# KiCad board jetson-agx-thor-baseboard.kicad_pcb (continued)
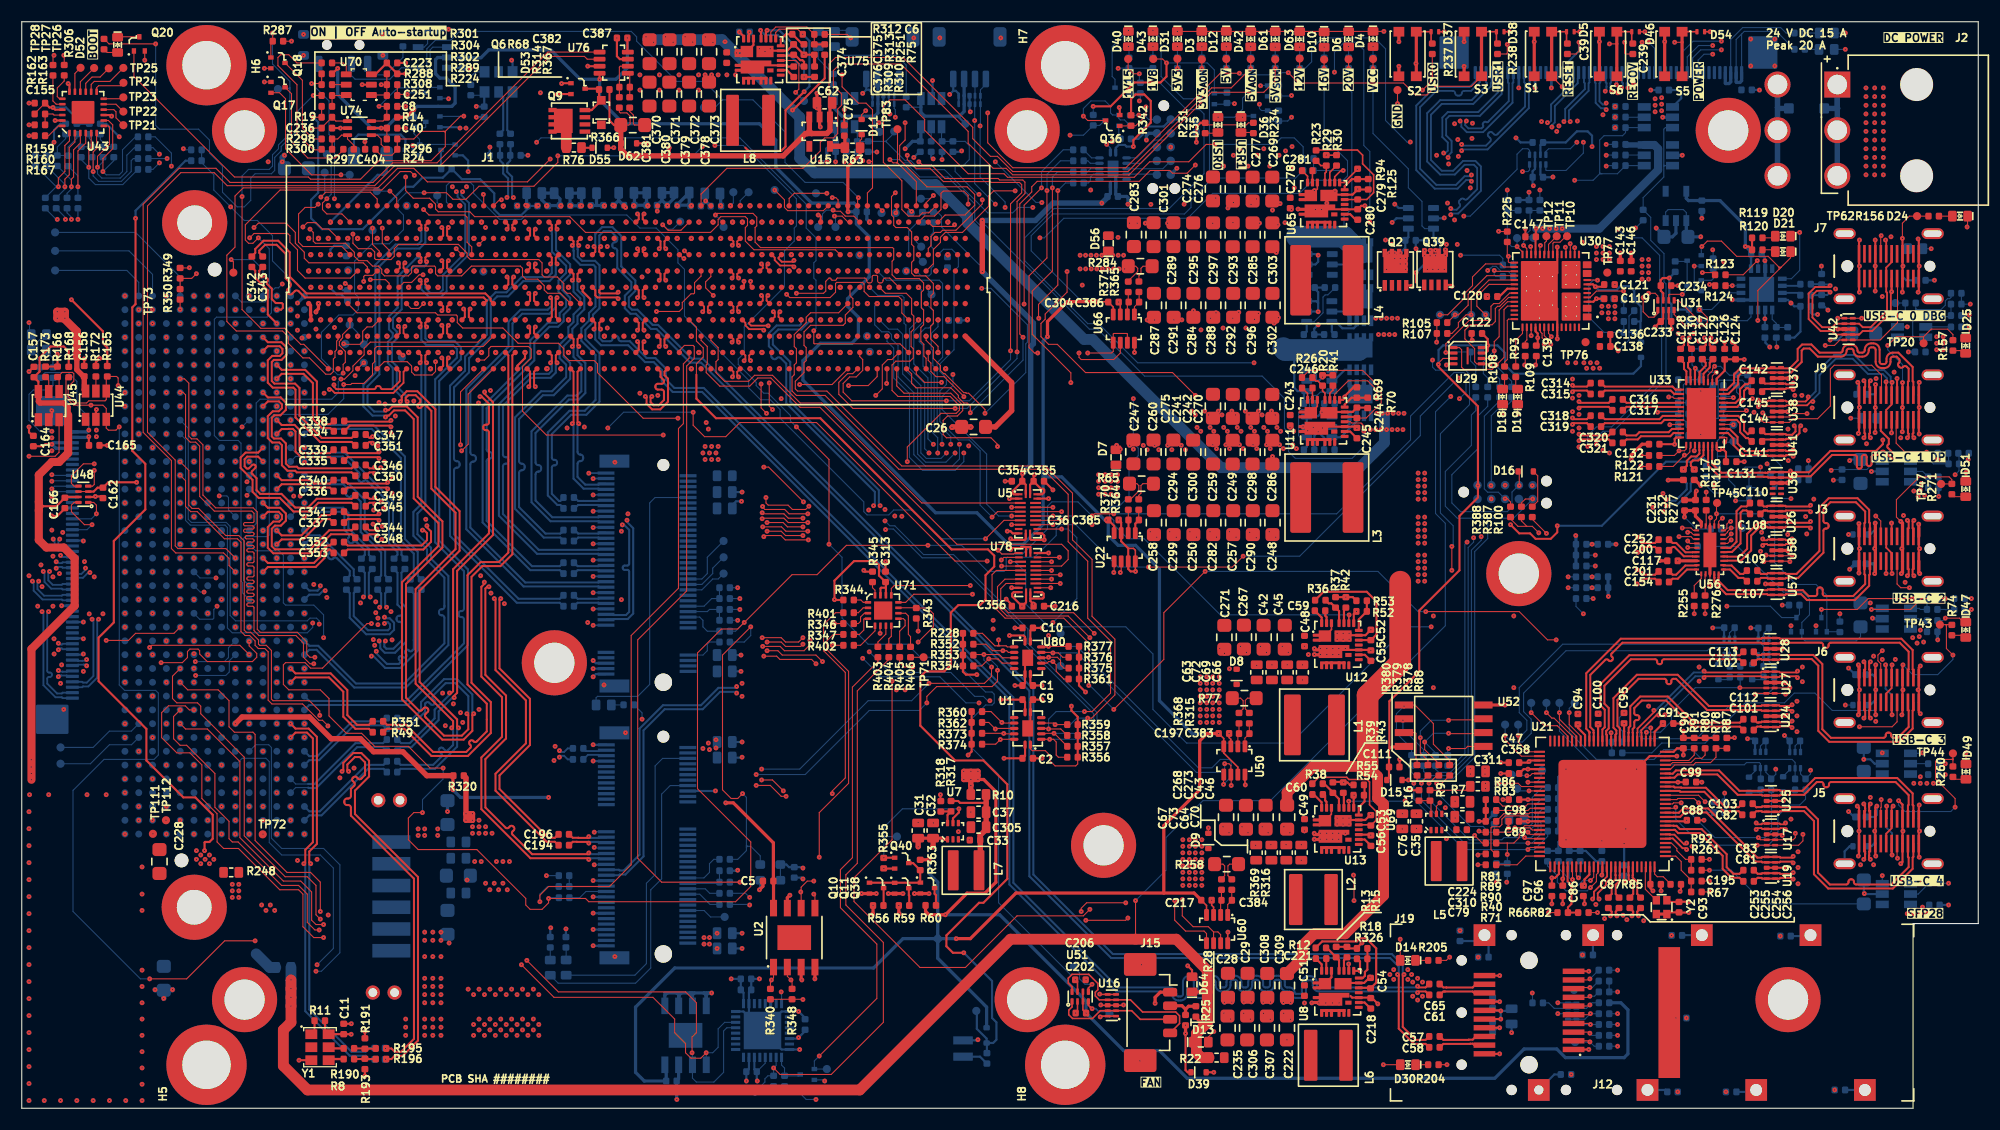
[diagram p0: board, top side]
## Placement (name value [footprint] x y rotation side) (continued)
C313  C_100n_0402  [C_0402_1005Metric]  79.47 48.91 270 top
C314  C_100n_0402  [C_0402_1005Metric]  144.82 66.74 180 top
C315  C_100n_0402  [C_0402_1005Metric]  144.82 65.74 180 top
C316  C_100n_0402  [C_0402_1005Metric]  146.82 65.24 180 top
C317  C_100n_0402  [C_0402_1005Metric]  146.82 64.24 180 top
C318  C_100n_0402  [C_0402_1005Metric]  144.82 63.74 180 top
C319  C_100n_0402  [C_0402_1005Metric]  144.82 62.74 180 top
C320  C_100n_0402  [C_0402_1005Metric]  146.82 62.24 180 top
C321  C_100n_0402  [C_0402_1005Metric]  146.82 61.24 180 top
C322  C_100n_0402  [C_0402_1005Metric]  152.87 58.3 90 bottom
C323  C_100n_0402  [C_0402_1005Metric]  153.87 58.31 90 bottom
C324  C_100n_0402  [C_0402_1005Metric]  33.75 48.21 270 bottom
C325  C_100n_0402  [C_0402_1005Metric]  30.85 48.21 270 bottom
C326  C_100n_0402  [C_0402_1005Metric]  35.25 50.11 270 bottom
C327  C_100n_0402  [C_0402_1005Metric]  32.25 50.11 270 bottom
C328  C_100n_0402  [C_0402_1005Metric]  32.75 48.21 270 bottom
C329  C_100n_0402  [C_0402_1005Metric]  29.87 48.21 270 bottom
C330  C_100n_0402  [C_0402_1005Metric]  34.25 50.11 270 bottom
C331  C_100n_0402  [C_0402_1005Metric]  31.25 50.11 270 bottom
C332  C_100n_0402  [C_0402_1005Metric]  36.75 48.2 90 bottom
C333  C_100n_0402  [C_0402_1005Metric]  35.75 48.2 90 bottom
C334  C_100n_0402  [C_0402_1005Metric]  29.19 62.31 0 top
C335  C_100n_0402  [C_0402_1005Metric]  29.17 59.61 0 top
C336  C_100n_0402  [C_0402_1005Metric]  29.17 56.81 0 top
C337  C_100n_0402  [C_0402_1005Metric]  29.17 53.91 0 top
C338  C_100n_0402  [C_0402_1005Metric]  29.19 63.26 0 top
C339  C_100n_0402  [C_0402_1005Metric]  29.17 60.61 0 top
C340  C_100n_0402  [C_0402_1005Metric]  29.17 57.81 0 top
C341  C_100n_0402  [C_0402_1005Metric]  29.17 54.91 0 top
C342  C_100n_0402  [C_0402_1005Metric]  21.17 77.91 270 top
C343  C_100n_0402  [C_0402_1005Metric]  22.17 77.91 270 top
C344  C_100n_0402  [C_0402_1005Metric]  31.17 53.51 0 top
C345  C_100n_0402  [C_0402_1005Metric]  31.17 55.41 0 top
C346  C_100n_0402  [C_0402_1005Metric]  31.17 59.21 0 top
C347  C_100n_0402  [C_0402_1005Metric]  31.17 62.01 0 top
C348  C_100n_0402  [C_0402_1005Metric]  31.17 52.51 0 top
C349  C_100n_0402  [C_0402_1005Metric]  31.17 56.41 0 top
C350  C_100n_0402  [C_0402_1005Metric]  31.17 58.21 0 top
C351  C_100n_0402  [C_0402_1005Metric]  31.17 61.01 0 top
C352  C_100n_0402  [C_0402_1005Metric]  29.17 52.11 180 top
C353  C_100n_0402  [C_0402_1005Metric]  29.17 51.11 180 top
C354  C_100n_0402  [C_0402_1005Metric]  91.57 57.71 0 top
C355  C_100n_0402  [C_0402_1005Metric]  93.57 57.71 180 top
C356  C_100n_0402  [C_0402_1005Metric]  91.57 46.21 0 top
C358  C_100n_0402  [C_0402_1005Metric]  137.29 30.81 0 top
C359  C_1u_25V_0402  [C_0402_1005Metric]  85.17 77.86 270 bottom
C365  C_1u_25V_0402  [C_0402_1005Metric]  29.97 74.81 270 bottom
C366  C_1u_25V_0402  [C_0402_1005Metric]  29.87 78.91 90 bottom
C370  C_22u_25V_0805  [C_0805_2012Metric]  57.76 97.24 90 top
C371  C_22u_25V_0805  [C_0805_2012Metric]  59.59 97.24 90 top
C372  C_22u_25V_0805  [C_0805_2012Metric]  61.4 97.24 90 top
C373  C_22u_25V_0805  [C_0805_2012Metric]  63.23 97.24 90 top
C374  C_100n_0402  [C_0402_1005Metric]  64.85 96.69 270 top
C375  C_1u_0402  [C_0402_1005Metric]  71.01 97.44 270 top
C376  C_4u7_25V_0402  [C_0402_1005Metric]  71.02 95.39 270 top
C377  C_100n_0402  [C_0402_1005Metric]  66.49 99.05 0 bottom
C378  C_22u_25V_0805  [C_0805_2012Metric]  63.23 93.34 270 top
C379  C_22u_25V_0805  [C_0805_2012Metric]  61.4 93.34 270 top
C380  C_22u_25V_0805  [C_0805_2012Metric]  59.58 93.34 270 top
C381  C_22u_25V_0805  [C_0805_2012Metric]  57.75 93.34 270 top
C382  C_100n_0402  [C_0402_1005Metric]  55.46 93.98 0 top
C383  C_100n_0402  [C_0402_1005Metric]  112.47 34.48 0 top
C384  C_100n_0402  [C_0402_1005Metric]  110.85 19.14 0 top
C385  C_100n_0402  [C_0402_1005Metric]  102.3 54.14 0 top
C386  C_100n_0402  [C_0402_1005Metric]  102.32 74.2 0 top
C387  C_100n_0402  [C_0402_1005Metric]  55.24 98.51 0 top
C404  C_1u_25V_0402  [C_0402_1005Metric]  32.07 88.26 0 top
D1  RB521S30T1G  [SOD-523]  88.77 6.71 90 bottom
D2  PTVS26VS1UR,115  [D_SOD-123]  164.2 92.02 180 bottom
D3  LED_G_0603_LTST-C190GKT  [LED_0603_1608Metric_G]  108.57 98.41 270 top
D4  LED_G_0603_LTST-C190GKT  [LED_0603_1608Metric_G]  124.32 98.41 270 top
D5  TPD1E0B04_XDFN-2  [XDFN-2_1x0.60mm]  142.47 99.08 180 top
D6  LED_G_0603_LTST-C190GKT  [LED_0603_1608Metric_G]  122.07 98.39 270 top
D7  ESDA25P35-1U1M  [QFN-2L_1.6x1x0.55mm]  100.67 59.91 90 top
D8  PESD5Z5.0F  [SOD-523]  111.77 39.71 90 top
D9  PESD5Z5.0F  [SOD-523]  109.17 24.61 90 top
D10  LED_G_0603_LTST-C190GKT  [LED_0603_1608Metric_G]  119.82 98.36 270 top
D11  PESD5Z5.0F  [SOD-523]  77.27 90.31 90 top
D12  LED_G_0603_LTST-C190GKT  [LED_0603_1608Metric_G]  110.82 98.41 270 top
D13  ESDA25P35-1U1M  [QFN-2L_1.6x1x0.55mm]  108.47 6.09 0 top
D14  LED_G_0603_LTST-C190GKT  [LED_0603_1608Metric_G]  127.52 13.61 180 top
D15  RB521S30T1G  [SOD-523]  126.29 30.21 0 top
D16  RB521S30T1G  [SOD-523]  138.37 58.61 0 top
D17  RB521S30T1G  [SOD-523]  148.97 69.81 90 bottom
D18  LED_G_0603_LTST-C190GKT  [LED_0603_1608Metric_G]  136.24 65.49 90 top
D19  LED_G_0603_LTST-C190GKT  [LED_0603_1608Metric_G]  137.62 65.49 90 top
D20  LED_G_0603_LTST-C190GKT  [LED_0603_1608Metric_G]  162.03 80.27 180 top
D21  LED_G_0603_LTST-C190GKT  [LED_0603_1608Metric_G]  162.03 78.84 180 top
D22  ESDA25P35-1U1M  [QFN-2L_1.6x1x0.55mm]  169.97 63.51 180 bottom
D23  ESDA25P35-1U1M  [QFN-2L_1.6x1x0.55mm]  174.21 79.11 0 bottom
D24  LED_G_0603_LTST-C190GKT  [LED_0603_1608Metric_G]  178.32 82.11 180 top
D25  LED_G_0603_LTST-C190GKT  [LED_0603_1608Metric_G]  178.84 70.18 270 top
D26  LED_G_0603_LTST-C190GKT  [LED_0603_1608Metric_G]  166.07 98.96 180 bottom
D27  LED_G_0603_LTST-C190GKT  [LED_0603_1608Metric_G]  166.05 97.45 180 bottom
D28  LED_G_0603_LTST-C190GKT  [LED_0603_1608Metric_G]  1.57 69.79 0 bottom
D29  LED_G_0603_LTST-C190GKT  [LED_0603_1608Metric_G]  1.57 71.2 0 bottom
D30  LED_Y_0603_LTST-C191KSKT  [LED_0603_1608Metric_Y]  127.53 4.01 180 top
D31  LED_G_0603_LTST-C190GKT  [LED_0603_1608Metric_G]  106.32 98.41 270 top
D32  LED_G_0603_LTST-C190GKT  [LED_0603_1608Metric_G]  53.54 37.12 0 bottom
D33  LED_G_0603_LTST-C190GKT  [LED_0603_1608Metric_G]  50.08 12.95 90 bottom
D34  LED_G_0603_LTST-C190GKT  [LED_0603_1608Metric_G]  48.62 12.94 90 bottom
D35  LED_G_0603_LTST-C190GKT  [LED_0603_1608Metric_G]  110.05 90.51 270 top
D36  LED_G_0603_LTST-C190GKT  [LED_0603_1608Metric_G]  112.17 90.51 270 top
D37  TPD1E0B04_XDFN-2  [XDFN-2_1x0.60mm]  130.01 99.08 180 top
D38  TPD1E0B04_XDFN-2  [XDFN-2_1x0.60mm]  136.02 99.08 180 top
D39  PESD5Z5.0F  [SOD-523]  108.27 3.31 0 top
D40  LED_G_0603_LTST-C190GKT  [LED_0603_1608Metric_G]  101.81 98.41 270 top
D41  LED_G_0603_LTST-C190GKT  [LED_0603_1608Metric_G]  73.27 98.41 270 bottom
D42  LED_G_0603_LTST-C190GKT  [LED_0603_1608Metric_G]  113.07 98.4 270 top
D43  LED_G_0603_LTST-C190GKT  [LED_0603_1608Metric_G]  104.07 98.41 270 top
D44  LED_G_0603_LTST-C190GKT  [LED_0603_1608Metric_G]  74.77 98.41 270 bottom
D45  PESD5Z5.0F  [SOD-523]  169.17 37.11 180 bottom
D46  TPD1E0B04_XDFN-2  [XDFN-2_1x0.60mm]  148.47 99.08 180 top
D47  LED_G_0603_LTST-C190GKT  [LED_0603_1608Metric_G]  178.85 44.03 270 top
D48  PESD5Z5.0F  [SOD-523]  169.17 24.11 180 bottom
D49  LED_G_0603_LTST-C190GKT  [LED_0603_1608Metric_G]  178.87 30.98 270 top
D50  PESD5Z5.0F  [SOD-523]  169.17 52.81 180 bottom
D51  LED_G_0603_LTST-C190GKT  [LED_0603_1608Metric_G]  178.85 56.99 270 top
D52  LED_G_0603_LTST-C190GKT  [LED_0603_1608Metric_G]  8.82 97.87 270 top
D53  BZT52B15SV-T  [D_SOD-323]  53.32 91.64 90 top
D54  TPD1E0B04_XDFN-2  [XDFN-2_1x0.60mm]  154.47 99.08 180 top
D55  PESD5Z5.0F  [SOD-523]  53.17 88.4 0 top
D56  ESDA25P35-1U1M  [QFN-2L_1.6x1x0.55mm]  99.97 79.61 90 top
D57  RB521S30T1G  [SOD-523]  159.2 40.15 90 bottom
D58  RB521S30T1G  [SOD-523]  156.09 40.15 90 bottom
D59  RB521S30T1G  [SOD-523]  162.05 29.81 90 bottom
D60  RB521S30T1G  [SOD-523]  158.91 29.78 90 bottom
D61  LED_G_0603_LTST-C190GKT  [LED_0603_1608Metric_G]  115.32 98.39 270 top
D62  PESD5Z5.0F  [SOD-523]  55.87 88.81 0 top
D63  LED_G_0603_LTST-C190GKT  [LED_0603_1608Metric_G]  117.57 98.39 270 top
D64  ESDA25P35-1U1M  [QFN-2L_1.6x1x0.55mm]  107.67 11.41 90 top
H1  -  [Spacer_Drill3.7mm_H6.5mm_9774065151R]  20.5 10 270 bottom
H2  -  [Spacer_Drill3.7mm_H6.5mm_9774065151R]  20.5 90 270 bottom
H3  -  [Spacer_Drill3.7mm_H6.5mm_9774065151R]  157 90 270 bottom
H4  -  [Spacer_Drill3.7mm_H6.5mm_9774065151R]  162.5 10 270 bottom
H5  -  [Spacer_Drill4.45mm_H4mm_9774040960R]  17 4 90 top
H6  -  [Spacer_Drill4.45mm_H4mm_9774040960R]  17 96 90 top
H7  -  [Spacer_Drill4.45mm_H4mm_9774040960R]  96 96 90 top
H8  -  [Spacer_Drill4.45mm_H4mm_9774040960R]  96 4 90 top
H9  -  [Spacer_Drill3.7mm_H2.5mm_9774025151R]  137.73 49.21 90 bottom
H10  -  [Spacer_Drill3.7mm_H2.5mm_9774025151R]  99.53 24.2 90 bottom
H11  -  [Spacer_Drill3.7mm_H6.5mm_9774065151R]  92.5 90 180 bottom
H12  -  [Spacer_Drill3.7mm_H6.5mm_9774065151R]  92.5 10 180 bottom
H13  -  [Spacer_Drill3.7mm_H6.5mm_9774065151R]  49 41 180 bottom
J1  Hermaphroditic_Molex_203456-0003_CUSTOM_Jetson_AGX_Thor_H8mm  [Conn_Hermaphroditic_Molex_203456-0003_mirrored]  56.6 75.56 0 top
J2  -  [Molex_Mini-Fit_2x3_50362462]  167.03 94.22 270 top
J3  USB-C_Kycon_KUSBX-SL2-CS1N24-B-TR  [USB-C_Receptacle_Kycon_KUSBX-SL2-CS1N24-B-TR]  175.56 51.5 90 top
J4  -  [Tag-Connect_TC2050-IDC-NL_2x5_P1.27mm]  136.47 56.71 0 bottom  (not fitted)
J5  USB-C_Kycon_KUSBX-SL2-CS1N24-B-TR  [USB-C_Receptacle_Kycon_KUSBX-SL2-CS1N24-B-TR]  175.56 25.5 90 top
J6  USB-C_Kycon_KUSBX-SL2-CS1N24-B-TR  [USB-C_Receptacle_Kycon_KUSBX-SL2-CS1N24-B-TR]  175.56 38.5 90 top
J7  USB-C_Kycon_KUSBX-SL2-CS1N24-B-TR  [USB-C_Receptacle_Kycon_KUSBX-SL2-CS1N24-B-TR]  175.56 77.5 90 top
J8  Plug_Samtec_UMPT_1x6_UMPT-06-06.5-G-V-S-TR  [Conn_Plug_Samtec_UMPT_1x6_UMPT-06-06.5-G-V-S-W-TR]  34 19.5 270 bottom
J9  USB-C_Kycon_KUSBX-SL2-CS1N24-B-TR  [USB-C_Receptacle_Kycon_KUSBX-SL2-CS1N24-B-TR]  175.56 64.5 90 top
J10  Conn_FFC_WE_68715014522  [Conn_FFC_WE_68715014x22]  145.98 97.47 0 bottom
J11  Conn_FFC_WE_68715014522  [Conn_FFC_WE_68715014x22]  2.51 50 90 bottom
J12  Amphenol_SFP28_1x20_UE763GA202600T  [Conn_Amphenol_SFP28_1x20_UE763GA202600T]  138.67 8.81 180 top
J13  Bus_M.2_1-2199230-6  [Bus_M.2_Socket_Key_M_TE_1-2199230-6]  57.53 49.21 270 bottom
J14  Bus_M.2_2199230-2  [Bus_M.2_Socket_Key_E_TE_2199230-6]  57.53 24.2 270 bottom
J15  Molex_PicoBlade_1x4_0533980471  [Conn_Molex_PicoBlade_1x4_0533980471]  103.9 8.81 270 top
J16  JST_SH_1x4_SM04B-SRSS-TB-LF-SN  [Conn_JST_SH_1x4_SM04B-SRSS-TB-LF-SN]  79.2 96.85 0 bottom
J17  JST_SH_1x4_SM04B-SRSS-TB-LF-SN  [Conn_JST_SH_1x4_SM04B-SRSS-TB-LF-SN]  87.2 96.85 0 bottom
J18  -  [ASP-218650-01_mounting_holes]  17.75 50 90 bottom
J19  Amphenol_SFP28_Cage_U773GC16382071  [Conn_Amphenol_SFP28_Cage_U773GC16382071]  138.67 8.81 90 top
J20  -  [Tag-Connect_TC2050-IDC-NL_2x5_P1.27mm]  105.07 88.46 270 bottom  (not fitted)
L1  L_1u_20A_Bourns-SRP6050CA  [L_Bourns-SRP6050CA]  118.93 35.28 180 top
L2  L_560n_17.7A_Bourns-SRP5030CA  [L_Bourns-SRP5030CA]  118.83 19.21 180 top
L3  L_3u3_15.1A_Coilcraft-XAL7070  [L_Coilcraft-XAL7070]  120.07 56.21 180 top
L4  L_3u3_15.1A_Coilcraft-XAL7070  [L_Coilcraft-XAL7070]  120.07 76.21 180 top
L5  L_1u8_6.8A_WE-MAPI-4020  [L_WE-MAPI-4020]  131.32 22.75 0 top
L6  L_6u8_6.1A_MPS-MPL-AL5050  [L_MPS-MPL-AL5050]  120.21 4.88 180 top
L7  L_1u8_6.8A_WE-MAPI-4020  [L_WE-MAPI-4020]  86.88 21.9 0 top
L8  L_3u3_8.1A_Coilcraft-XAL5030  [L_Coilcraft-XAL5030]  67.05 90.93 180 top
Q1  DMG1012T-7  [SOT-523]  72.27 3.11 270 bottom
Q2  SISS05DN-T1-GE3  [Vishay_PowerPAK_1212-8_Single]  126.39 77.17 90 top
Q3  DMG1012T-7  [SOT-523]  153.87 75.7 270 bottom
Q4  DMG1012T-7  [SOT-523]  101.23 93.93 270 bottom
Q5  SISS05DN-T1-GE3  [Vishay_PowerPAK_1212-8_Single]  123.15 65.17 90 bottom  (not fitted)
Q6  DMG1012T-7  [SOT-523]  51.18 93.84 270 top
Q7  DMG1012T-7  [SOT-523]  37.82 90.79 270 bottom
Q8  DMG1012T-7  [SOT-523]  35.95 88.21 270 bottom
Q9  SISS05DN-T1-GE3  [Vishay_PowerPAK_1212-8_Single]  50.38 90.88 180 top
Q10  DMG1012T-7  [SOT-523]  78.64 20.26 270 top
Q11  DMG1012T-7  [SOT-523]  80.96 20.25 270 top
Q12  DMG1012T-7  [SOT-523]  153.87 78.01 270 bottom
Q13  DMG1012T-7  [SOT-523]  113.97 93.63 270 bottom
Q14  DMG1012T-7  [SOT-523]  113.97 91.32 270 bottom
Q15  DMG1012T-7  [SOT-523]  163.27 44.51 180 bottom
Q16  DMG1012T-7  [SOT-523]  109.07 92.91 270 bottom
Q17  DMG1012T-7  [SOT-523]  23.58 93.96 270 top
Q18  DMG1012T-7  [SOT-523]  23.57 96.21 270 top
Q19  DMG1012T-7  [SOT-523]  165.57 44.51 180 bottom
Q20  DMG1012T-7  [SOT-523]  10.82 97.96 0 top
Q21  DMC2400UV-7  [SOT-563]  160.25 42.44 90 bottom
Q22  DMG1012T-7  [SOT-523]  37.82 93.46 270 bottom
Q23  SISS05DN-T1-GE3  [Vishay_PowerPAK_1212-8_Single]  123.15 73.92 90 bottom  (not fitted)
Q24  SISS05DN-T1-GE3  [Vishay_PowerPAK_1212-8_Single]  123.15 69.4 90 bottom
Q25  SISS05DN-T1-GE3  [Vishay_PowerPAK_1212-8_Single]  123.15 78.15 90 bottom
Q26  DMC2400UV-7  [SOT-563]  157.11 42.47 90 bottom
Q27  DMC2400UV-7  [SOT-563]  163.15 32.04 90 bottom
Q28  DMG1012T-7  [SOT-523]  100.28 90.92 270 bottom  (not fitted)
Q29  DMC2400UV-7  [SOT-563]  159.96 32.06 90 bottom
Q34  DMG1012T-7  [SOT-523]  160.6 56.62 270 bottom  (not fitted)
Q35  DMG1012T-7  [SOT-523]  158.26 56.63 270 bottom  (not fitted)
Q36  DMG1012T-7  [SOT-523]  100.37 90.91 90 top  (not fitted)
Q37  DMG1012T-7  [SOT-523]  39.22 88.2 270 bottom
Q38  DMG1012T-7  [SOT-523]  83.33 20.27 270 top
Q39  SISS05DN-T1-GE3  [Vishay_PowerPAK_1212-8_Single]  130.02 77.21 90 top
Q40  DMG1012T-7  [SOT-523]  80.96 22.56 270 top
R1  R_100k_0402  [R_0402_1005Metric]  41.31 93.71 90 bottom
R2  R_33R_0402  [R_0402_1005Metric]  44.97 89.21 270 bottom
R3  R_33R_0402  [R_0402_1005Metric]  43.99 89.21 270 bottom
R4  R_49R9_0402  [R_0402_1005Metric]  43.53 87.7 0 bottom
R5  R_49R9_0402  [R_0402_1005Metric]  45.42 87.7 180 bottom
R6  R_2k2_0402  [R_0402_1005Metric]  88.79 4.59 90 bottom
R7  R_0R_22.4A_0603  [R_0603_1608Metric]  133.96 29.63 0 top
R8  R_33R_0402  [R_0402_1005Metric]  30.1 4.53 0 top
R9  R_11k_0402  [R_0402_1005Metric]  129.56 28.79 90 top
R10  R_0R_22.4A_0603  [R_0603_1608Metric]  88.01 28.88 180 top
R11  R_100k_0402  [R_0402_1005Metric]  27.42 8.06 180 top
R12  R_499k_0402  [R_0402_1005Metric]  119.52 14.76 180 top  (not fitted)
R13  R_499k_0402  [R_0402_1005Metric]  120.93 14.38 270 top
R14  R_10k_0402  [R_0402_1005Metric]  34.07 91.21 0 top
R15  R_51k_0402  [R_0402_1005Metric]  121.92 14.38 270 top
R16  R_12k_0402  [R_0402_1005Metric]  128.55 28.79 270 top
R17  R_2k2_0402  [R_0402_1005Metric]  122.07 96.21 270 bottom
R18  R_10k_0402  [R_0402_1005Metric]  123.32 14.71 0 top
R19  R_499k_0402  [R_0402_1005Metric]  28.07 91.21 180 top
R20  R_100k_0402  [R_0402_1005Metric]  119.67 66.99 270 top
R21  R_0R_0402  [R_0402_1005Metric]  142.37 23.21 90 bottom
R22  R_0R_22.4A_0603  [R_0603_1608Metric]  109.93 4.66 180 top
R23  R_499k_0402  [R_0402_1005Metric]  119.08 87.68 90 top  (not fitted)
R24  R_10k_0402  [R_0402_1005Metric]  34.07 88.26 180 top
R25  R_0R_0402  [R_0402_1005Metric]  108.02 8.91 90 top  (not fitted)
R26  R_499k_0402  [R_0402_1005Metric]  118.26 67.26 180 top  (not fitted)
R27  R_2k2_0402  [R_0402_1005Metric]  124.32 96.21 270 bottom
R28  R_0R_0402  [R_0402_1005Metric]  107.07 8.11 90 top
R29  R_100k_0402  [R_0402_1005Metric]  120.02 87.24 270 top
R30  R_200k_0402  [R_0402_1005Metric]  120.96 87.24 270 top
R31  R_15k_0402  [R_0402_1005Metric]  147.87 73.41 180 bottom
R32  R_200R_0402  [R_0402_1005Metric]  108.57 96.21 270 bottom
R33  R_0R_22.4A_0603  [R_0603_1608Metric]  40.17 19.81 180 bottom  (not fitted)
R34  R_49k9_0402  [R_0402_1005Metric]  118.37 86.31 180 bottom  (not fitted)
R35  R_470R_0402  [R_0402_1005Metric]  113.07 96.21 270 bottom
R36  R_499k_0402  [R_0402_1005Metric]  119.47 46.76 180 top  (not fitted)
R37  R_499k_0402  [R_0402_1005Metric]  120.87 46.56 270 top
R38  R_499k_0402  [R_0402_1005Metric]  119.22 29.87 180 top  (not fitted)
R39  R_499k_0402  [R_0402_1005Metric]  120.62 29.51 270 top
R40  R_0R_0402  [R_0402_1005Metric]  135.17 23.41 0 top  (not fitted)
R41  R_200k_0402  [R_0402_1005Metric]  120.62 66.99 270 top
R42  R_200k_0402  [R_0402_1005Metric]  121.82 46.56 270 top
R43  R_200k_0402  [R_0402_1005Metric]  121.58 29.51 270 top
R46  R_0R_0402  [R_0402_1005Metric]  143.37 23.21 90 bottom
R47  R_100k_0402  [R_0402_1005Metric]  36.07 90.72 90 bottom
R48  R_0R_0402  [R_0402_1005Metric]  156.17 27.21 0 bottom
R49  R_0R_0402  [R_0402_1005Metric]  32.77 35.61 180 top
R50  R_470R_0402  [R_0402_1005Metric]  39.07 86.46 0 bottom
R51  R_2k2_0402  [R_0402_1005Metric]  119.82 96.21 270 bottom
R52  R_73k2_0402  [R_0402_1005Metric]  123.27 45.73 180 top
R53  R_10k_0402  [R_0402_1005Metric]  123.27 46.71 0 top
R54  R_45k3_0402  [R_0402_1005Metric]  123 28.81 180 top
R55  R_10k_0402  [R_0402_1005Metric]  123 29.76 0 top
R56  R_470R_0402  [R_0402_1005Metric]  78.8 18.66 180 top
R57  R_0R_0402  [R_0402_1005Metric]  156.17 28.21 0 bottom
R58  R_0R_0402  [R_0402_1005Metric]  141.37 23.21 90 bottom
R59  R_470R_0402  [R_0402_1005Metric]  81.17 18.66 180 top
R60  R_470R_0402  [R_0402_1005Metric]  83.63 18.67 180 top
R61  R_470R_0402  [R_0402_1005Metric]  115.32 96.21 270 bottom
R62  R_0R_0402  [R_0402_1005Metric]  140.37 23.21 90 bottom
R63  R_0R_22.4A_0603  [R_0603_1608Metric]  76.43 88.41 0 top
R64  R_470R_0402  [R_0402_1005Metric]  110.82 96.21 270 bottom
R65  R_0R001_0805  [R_0805_2012Metric]  103.01 57.49 180 top
R66  R_11k_0402  [R_0402_1005Metric]  141.77 18.01 180 top
R67  R_10k_0402  [R_0402_1005Metric]  154.07 19.91 180 top
R68  R_10k_0402  [R_0402_1005Metric]  53.59 93.76 0 top
R69  R_255k_0402  [R_0402_1005Metric]  122.83 65.88 90 top
R70  R_10k_0402  [R_0402_1005Metric]  123.82 64.93 90 top
R71  R_0R_0402  [R_0402_1005Metric]  135.17 22.41 0 top  (not fitted)
R72  R_10k_0402  [R_0402_1005Metric]  102.91 93.9 90 bottom
R73  R_2k2_0402  [R_0402_1005Metric]  175.87 31.71 180 bottom
R74  R_470R_0402  [R_0402_1005Metric]  177.57 44.01 90 top
R75  R_49k9_0402  [R_0402_1005Metric]  73.87 97.44 270 top
R76  R_0R_22.4A_0603  [R_0603_1608Metric]  50.8 88.42 0 top
R77  R_0R001_0805  [R_0805_2012Metric]  112.47 37.74 180 top
R78  R_200k_0402  [R_0402_1005Metric]  155.87 33.61 270 top
R79  R_200R_0402  [R_0402_1005Metric]  106.32 96.21 270 bottom
R80  R_200k_0402  [R_0402_1005Metric]  154.87 33.61 270 top
R81  R_10k_0402  [R_0402_1005Metric]  135.17 26.41 0 top
R82  R_49k9_0402  [R_0402_1005Metric]  143.67 18.01 180 top
R83  R_10k_0402  [R_0402_1005Metric]  135.17 27.41 0 top
R84  R_10k_0402  [R_0402_1005Metric]  110.87 93 90 bottom
R85  R_12k_0402  [R_0402_1005Metric]  152.17 20.61 180 top
R86  R_10k_0402  [R_0402_1005Metric]  135.17 28.41 0 top
R87  R_10k_0402  [R_0402_1005Metric]  156.87 33.61 90 top  (not fitted)
R88  R_0R_0402  [R_0402_1005Metric]  131.37 31.11 90 top  (not fitted)
R89  R_0R_0402  [R_0402_1005Metric]  135.17 25.41 180 top  (not fitted)
R90  R_0R_0402  [R_0402_1005Metric]  135.17 24.41 180 top  (not fitted)
R91  R_200k_0402  [R_0402_1005Metric]  153.87 33.61 270 top
R92  R_49k9_0402  [R_0402_1005Metric]  154.07 22.91 180 top
R93  R_0R_0402  [R_0402_1005Metric]  138.32 69.71 90 top
R94  R_330k_0402  [R_0402_1005Metric]  122.9 85.99 90 top
R95  R_100k_0402  [R_0402_1005Metric]  147.87 74.41 180 bottom
R96  R_10k_0402  [R_0402_1005Metric]  147.87 72.41 180 bottom
R97  R_100k_0402  [R_0402_1005Metric]  147.87 71.41 180 bottom
R98  R_10k_0402  [R_0402_1005Metric]  133.77 69.61 0 bottom
R99  R_0R_0402  [R_0402_1005Metric]  131.19 32.01 90 bottom  (not fitted)
R100  R_0R_0402  [R_0402_1005Metric]  138.97 54.89 270 top  (not fitted)
R101  R_0R_0402  [R_0402_1005Metric]  130.07 32.01 90 bottom  (not fitted)
R102  R_220R_1206  [R_1206_3216Metric]  32.07 87.61 0 bottom
R103  R_4k7_0402  [R_0402_1005Metric]  138.67 83.11 270 bottom
R104  R_4k7_0402  [R_0402_1005Metric]  137.67 83.11 270 bottom
R105  R_4k7_0402  [R_0402_1005Metric]  130.67 72.31 0 top
R106  R_0R_0402  [R_0402_1005Metric]  136.75 76.55 180 bottom
R107  R_4k7_0402  [R_0402_1005Metric]  130.67 71.31 0 top
R108  R_200R_0402  [R_0402_1005Metric]  136.42 67.79 270 top
R109  R_200R_0402  [R_0402_1005Metric]  137.45 67.79 270 top
R110  R_0R_0402  [R_0402_1005Metric]  136.74 77.61 0 bottom
R111  R_0R_0402  [R_0402_1005Metric]  139.67 83.11 270 bottom
R112  R_0R_0402  [R_0402_1005Metric]  136.67 83.11 270 bottom
R113  R_1k_0402  [R_0402_1005Metric]  153.87 73.51 180 bottom
R114  R_1k_0402  [R_0402_1005Metric]  153.86 72.49 180 bottom
R115  R_100k_0402  [R_0402_1005Metric]  152.12 77.46 270 bottom
R116  R_100k_0402  [R_0402_1005Metric]  153.87 58.31 270 top
R117  R_100k_0402  [R_0402_1005Metric]  152.87 58.31 270 top
R118  R_0R_0402  [R_0402_1005Metric]  154.97 58.61 270 bottom  (not fitted)
R119  R_200R_0402  [R_0402_1005Metric]  159.67 80.11 180 top
R120  R_200R_0402  [R_0402_1005Metric]  159.67 79.01 180 top
R121  R_0R_0402  [R_0402_1005Metric]  150.18 59.07 180 top  (not fitted)
R122  R_0R_0402  [R_0402_1005Metric]  150.18 60.08 180 top  (not fitted)
R123  R_0R_0402  [R_0402_1005Metric]  156.27 76.71 0 top
R124  R_0R_0402  [R_0402_1005Metric]  156.27 75.71 0 top
R125  R_10k_0402  [R_0402_1005Metric]  123.88 85.04 90 top
R126  R_10k_0402  [R_0402_1005Metric]  101.99 90.91 90 bottom  (not fitted)
R127  R_10k_0402  [R_0402_1005Metric]  167.47 58.31 270 bottom
R128  R_1k_0402  [R_0402_1005Metric]  152.87 62.92 0 bottom  (not fitted)
R129  R_1k_0402  [R_0402_1005Metric]  152.87 61.91 0 bottom
R130  R_1k_0402  [R_0402_1005Metric]  152.87 67.05 0 bottom  (not fitted)
R131  R_1k_0402  [R_0402_1005Metric]  152.87 66.01 0 bottom  (not fitted)
R132  R_1k_0402  [R_0402_1005Metric]  158.78 66.99 270 bottom  (not fitted)
R133  R_1k_0402  [R_0402_1005Metric]  157.77 67.01 270 bottom
R134  R_1k_0402  [R_0402_1005Metric]  152.87 64.93 0 bottom  (not fitted)
R135  R_1k_0402  [R_0402_1005Metric]  152.87 63.91 0 bottom  (not fitted)
R136  R_1k_0402  [R_0402_1005Metric]  154.57 69.41 90 bottom  (not fitted)
R137  R_1k_0402  [R_0402_1005Metric]  155.57 69.41 90 bottom
R138  R_1k_0402  [R_0402_1005Metric]  156.07 65.51 180 bottom  (not fitted)
R139  R_1k_0402  [R_0402_1005Metric]  156.07 66.53 180 bottom  (not fitted)
R140  R_1k_0402  [R_0402_1005Metric]  156.07 63.49 180 bottom  (not fitted)
R141  R_1k_0402  [R_0402_1005Metric]  156.07 64.51 180 bottom
R142  R_0R_0402  [R_0402_1005Metric]  178.65 60.29 0 bottom  (not fitted)
R143  R_0R_0402  [R_0402_1005Metric]  177.75 59.31 180 bottom
R144  R_10k_0402  [R_0402_1005Metric]  176.76 60.29 0 bottom
R145  R_10k_0402  [R_0402_1005Metric]  162.47 71.41 90 bottom
R146  R_2k2_0402  [R_0402_1005Metric]  175.87 58.11 180 bottom
R147  R_27R_0402  [R_0402_1005Metric]  164.12 75.85 0 bottom
R148  R_27R_0402  [R_0402_1005Metric]  164.11 74.83 0 bottom
R149  R_0R_0402  [R_0402_1005Metric]  177.97 75.01 180 bottom  (not fitted)
R150  R_10k_0402  [R_0402_1005Metric]  173.77 74.11 0 bottom
R151  R_0R_0402  [R_0402_1005Metric]  177.97 74.01 180 bottom
R152  R_10k_0402  [R_0402_1005Metric]  177.96 72.96 180 bottom
R153  R_2k2_0402  [R_0402_1005Metric]  177.97 71.91 180 bottom
R154  R_2M_0402  [R_0402_1005Metric]  163.92 58.86 0 bottom
R155  R_2M_0402  [R_0402_1005Metric]  163.92 57.84 0 bottom
R156  R_470R_0402  [R_0402_1005Metric]  175.9 82.11 180 top
R157  R_4k7_0402  [R_0402_1005Metric]  177.67 70.21 90 top
R158  R_0R_0402  [R_0402_1005Metric]  4.04 90.13 90 bottom
R159  R_0R_0402  [R_0402_1005Metric]  1.67 91.51 180 top  (not fitted)
R160  R_0R_0402  [R_0402_1005Metric]  1.67 90.51 0 top
R161  R_0R_0402  [R_0402_1005Metric]  5.07 90.13 90 bottom  (not fitted)
R162  R_0R_0402  [R_0402_1005Metric]  2.88 95.53 90 top
R163  R_0R_0402  [R_0402_1005Metric]  3.91 95.54 90 top
R164  R_2k2_0402  [R_0402_1005Metric]  3.27 87.21 270 bottom
R165  R_10k_0402  [R_0402_1005Metric]  7.87 67.83 90 top  (not fitted)
R166  R_100k_0402  [R_0402_1005Metric]  3.29 67.78 270 top
R167  R_10k_0402  [R_0402_1005Metric]  1.67 89.51 0 top
R168  R_10k_0402  [R_0402_1005Metric]  4.32 67.76 270 top
R169  R_0R_0402  [R_0402_1005Metric]  7.23 90.13 90 bottom
R170  R_0R_0402  [R_0402_1005Metric]  6.22 90.13 90 bottom  (not fitted)
R171  R_2k2_0402  [R_0402_1005Metric]  5.47 88.01 270 bottom
R172  R_4k7_0402  [R_0402_1005Metric]  6.82 67.83 270 top
R173  R_4k7_0402  [R_0402_1005Metric]  2.19 67.78 270 top
R174  R_10k_0402  [R_0402_1005Metric]  147.07 86.76 180 bottom  (not fitted)
R175  R_100k_0402  [R_0402_1005Metric]  147.07 90.26 0 bottom
R176  R_10k_0402  [R_0402_1005Metric]  149.17 82.21 90 bottom
R177  R_200R_0402  [R_0402_1005Metric]  163.57 98.96 180 bottom
R178  R_470R_0402  [R_0402_1005Metric]  163.57 97.46 180 bottom
R179  R_4k7_0402  [R_0402_1005Metric]  147.07 87.73 0 bottom
R180  R_4k7_0402  [R_0402_1005Metric]  147.07 91.23 0 bottom
R181  R_0R_0402  [R_0402_1005Metric]  2.17 83.31 90 bottom
R182  R_200R_0402  [R_0402_1005Metric]  2.87 67.71 270 bottom
R183  R_470R_0402  [R_0402_1005Metric]  1.67 67.71 270 bottom
R184  R_0R_0402  [R_0402_1005Metric]  3.17 83.31 90 bottom
R185  R_0R_0402  [R_0402_1005Metric]  145.57 7.71 180 bottom
R186  R_0R_0402  [R_0402_1005Metric]  145.57 8.7 180 bottom
R187  R_0R_0402  [R_0402_1005Metric]  139.47 9.7 0 bottom
R188  R_1k_0402  [R_0402_1005Metric]  145.57 10.71 0 bottom
R189  R_1k_0402  [R_0402_1005Metric]  145.57 5.71 0 bottom
R190  R_33R_0402  [R_0402_1005Metric]  30.1 5.51 0 top
R191  R_49R9_0402  [R_0402_1005Metric]  31.57 5.96 270 top
R192  R_1k_0402  [R_0402_1005Metric]  145.56 11.71 0 bottom
R193  R_49R9_0402  [R_0402_1005Metric]  31.57 4.08 90 top
R194  R_100k_0402  [R_0402_1005Metric]  140.87 25.51 180 bottom
R195  R_0R_0402  [R_0402_1005Metric]  33.05 5.5 0 top  (not fitted)
R196  R_0R_0402  [R_0402_1005Metric]  33.05 4.53 0 top  (not fitted)
R197  R_1k_0402  [R_0402_1005Metric]  145.57 9.71 0 bottom
R198  R_0R_0402  [R_0402_1005Metric]  145.57 6.71 180 bottom
R199  R_0R_0402  [R_0402_1005Metric]  145.56 12.71 180 bottom
R200  R_330R_0402  [R_0402_1005Metric]  157.27 1.51 0 bottom
R201  R_0R_0402  [R_0402_1005Metric]  32.94 4.5 0 bottom
R202  R_0R_0402  [R_0402_1005Metric]  32.94 5.54 0 bottom
R203  R_47k_0402  [R_0402_1005Metric]  64.67 21.86 0 bottom
R204  R_200R_0402  [R_0402_1005Metric]  129.87 4.01 180 top
R205  R_200R_0402  [R_0402_1005Metric]  129.87 13.61 180 top
R206  R_0R_0402  [R_0402_1005Metric]  64.67 46.91 180 bottom
R207  R_0R_0402  [R_0402_1005Metric]  64.67 45.91 180 bottom
R208  R_0R_0402  [R_0402_1005Metric]  64.67 43.91 180 bottom
R209  R_47k_0402  [R_0402_1005Metric]  64.67 47.91 180 bottom  (not fitted)
R210  R_47k_0402  [R_0402_1005Metric]  64.67 44.91 180 bottom  (not fitted)
R211  R_200R_0402  [R_0402_1005Metric]  55.85 37.13 0 bottom
R212  R_0R_0402  [R_0402_1005Metric]  64.67 42.91 0 bottom
R213  R_0R_22.4A_0603  [R_0603_1608Metric]  64.67 58.21 0 bottom
R214  R_0R_0402  [R_0402_1005Metric]  64.67 20.81 180 bottom
R215  R_0R_0402  [R_0402_1005Metric]  49.89 20.41 0 bottom
R216  R_0R_0402  [R_0402_1005Metric]  49.9 19.38 0 bottom
R217  R_0R_0402  [R_0402_1005Metric]  118.37 87.41 0 bottom
R218  R_0R_0402  [R_0402_1005Metric]  51.19 33.12 0 bottom
R219  R_0R_0402  [R_0402_1005Metric]  51.19 32.11 0 bottom
R220  R_47k_0402  [R_0402_1005Metric]  49.89 21.41 180 bottom
R221  R_200R_0402  [R_0402_1005Metric]  50.06 15.28 90 bottom
R222  R_200R_0402  [R_0402_1005Metric]  48.62 15.28 90 bottom
R223  R_0R_0402  [R_0402_1005Metric]  64.67 22.91 0 bottom
R224  R_10k_0402  [R_0402_1005Metric]  28.07 92.21 180 top
R225  R_4k7_0402  [R_0402_1005Metric]  136.67 80.21 270 top
R226  R_0R_0402  [R_0402_1005Metric]  64.67 19.78 0 bottom
R227  R_0R_0402  [R_0402_1005Metric]  156 58.61 90 bottom
R228  R_2k2_0402  [R_0402_1005Metric]  87.07 43.71 0 top  (not fitted)
R229  R_100k_0402  [R_0402_1005Metric]  115.64 93.65 90 bottom
R230  R_10k_0402  [R_0402_1005Metric]  69.17 2.51 270 bottom
R231  R_200R_0402  [R_0402_1005Metric]  108.88 90.22 90 top
R232  R_10k_0402  [R_0402_1005Metric]  70.18 2.51 270 bottom
R233  R_100k_0402  [R_0402_1005Metric]  115.64 91.34 90 bottom
R234  R_200R_0402  [R_0402_1005Metric]  113.31 90.22 90 top
R235  R_10k_0402  [R_0402_1005Metric]  76.87 88.51 270 bottom
R236  R_100k_0402  [R_0402_1005Metric]  77.87 88.51 90 bottom  (not fitted)
R237  R_10k_0402  [R_0402_1005Metric]  129.77 97.51 270 top
R238  R_10k_0402  [R_0402_1005Metric]  135.77 97.51 270 top
R239  R_100k_0402  [R_0402_1005Metric]  140.87 26.51 180 bottom
R240  R_470R_0402  [R_0402_1005Metric]  101.87 96.21 270 bottom
R241  R_10k_0402  [R_0402_1005Metric]  75.87 88.51 90 bottom
R242  R_200R_0402  [R_0402_1005Metric]  74.67 94.71 270 bottom
R243  R_10k_0402  [R_0402_1005Metric]  84.67 88.51 270 bottom
R244  R_100k_0402  [R_0402_1005Metric]  85.67 88.51 90 bottom  (not fitted)
R245  R_10k_0402  [R_0402_1005Metric]  83.67 88.51 90 bottom
R246  R_200R_0402  [R_0402_1005Metric]  81.37 92.61 270 bottom
R247  R_0R_22.4A_0603  [R_0603_1608Metric]  24.07 12.96 0 bottom  (not fitted)
R248  R_0R_22.4A_0603  [R_0603_1608Metric]  19.27 21.71 0 top  (not fitted)
R249  R_0R_22.4A_0603  [R_0603_1608Metric]  40.17 24.51 180 bottom  (not fitted)
R250  R_0R_22.4A_0603  [R_0603_1608Metric]  40.17 23.01 180 bottom  (not fitted)
R251  R_2k37_0402  [R_0402_1005Metric]  72.92 97.44 90 top
R252  R_0R_0402  [R_0402_1005Metric]  143.47 51.91 180 bottom  (not fitted)
R253  R_0R_0402  [R_0402_1005Metric]  145.47 51.91 180 bottom  (not fitted)
R254  R_10k_0402  [R_0402_1005Metric]  143.47 50.91 0 bottom  (not fitted)
R255  R_200k_0402  [R_0402_1005Metric]  153.87 46.71 270 top
R256  R_10k_0402  [R_0402_1005Metric]  155.87 53.31 180 bottom
R257  R_470R_0402  [R_0402_1005Metric]  104.07 96.21 270 bottom
R258  R_0R001_0805  [R_0805_2012Metric]  110.84 22.47 180 top
R259  R_2k2_0402  [R_0402_1005Metric]  175.97 20.71 180 bottom
R260  R_470R_0402  [R_0402_1005Metric]  177.67 30.98 90 top
R261  R_43k_0402  [R_0402_1005Metric]  154.07 21.91 0 top
R262  R_49k9_0402  [R_0402_1005Metric]  146.77 33.71 180 bottom
R263  R_43k_0402  [R_0402_1005Metric]  146.77 32.71 0 bottom
R264  R_0R_0402  [R_0402_1005Metric]  64.67 18.76 0 bottom
R265  R_1k_0402  [R_0402_1005Metric]  178.27 46.91 0 bottom
R266  R_10k_0402  [R_0402_1005Metric]  167.27 44.31 270 bottom
R267  R_887k_0402  [R_0402_1005Metric]  154.67 51.71 0 bottom
R268  R_0R_0402  [R_0402_1005Metric]  175.77 46.9 0 bottom
R269  R_10k_0402  [R_0402_1005Metric]  175.76 45.91 0 bottom
